# Altium PCB PCB_ECGAcquisitionSystem.PcbDoc (part 1 of 2)
Units mm, origin at the board's own origin, x right, y up, seen from the top; angles counter-clockwise.
Board outline 85.22 x 55 mm, 2 copper layers (Top Layer, Bottom Layer); 165 components, 99 nets, 434 pads, 579 vias.
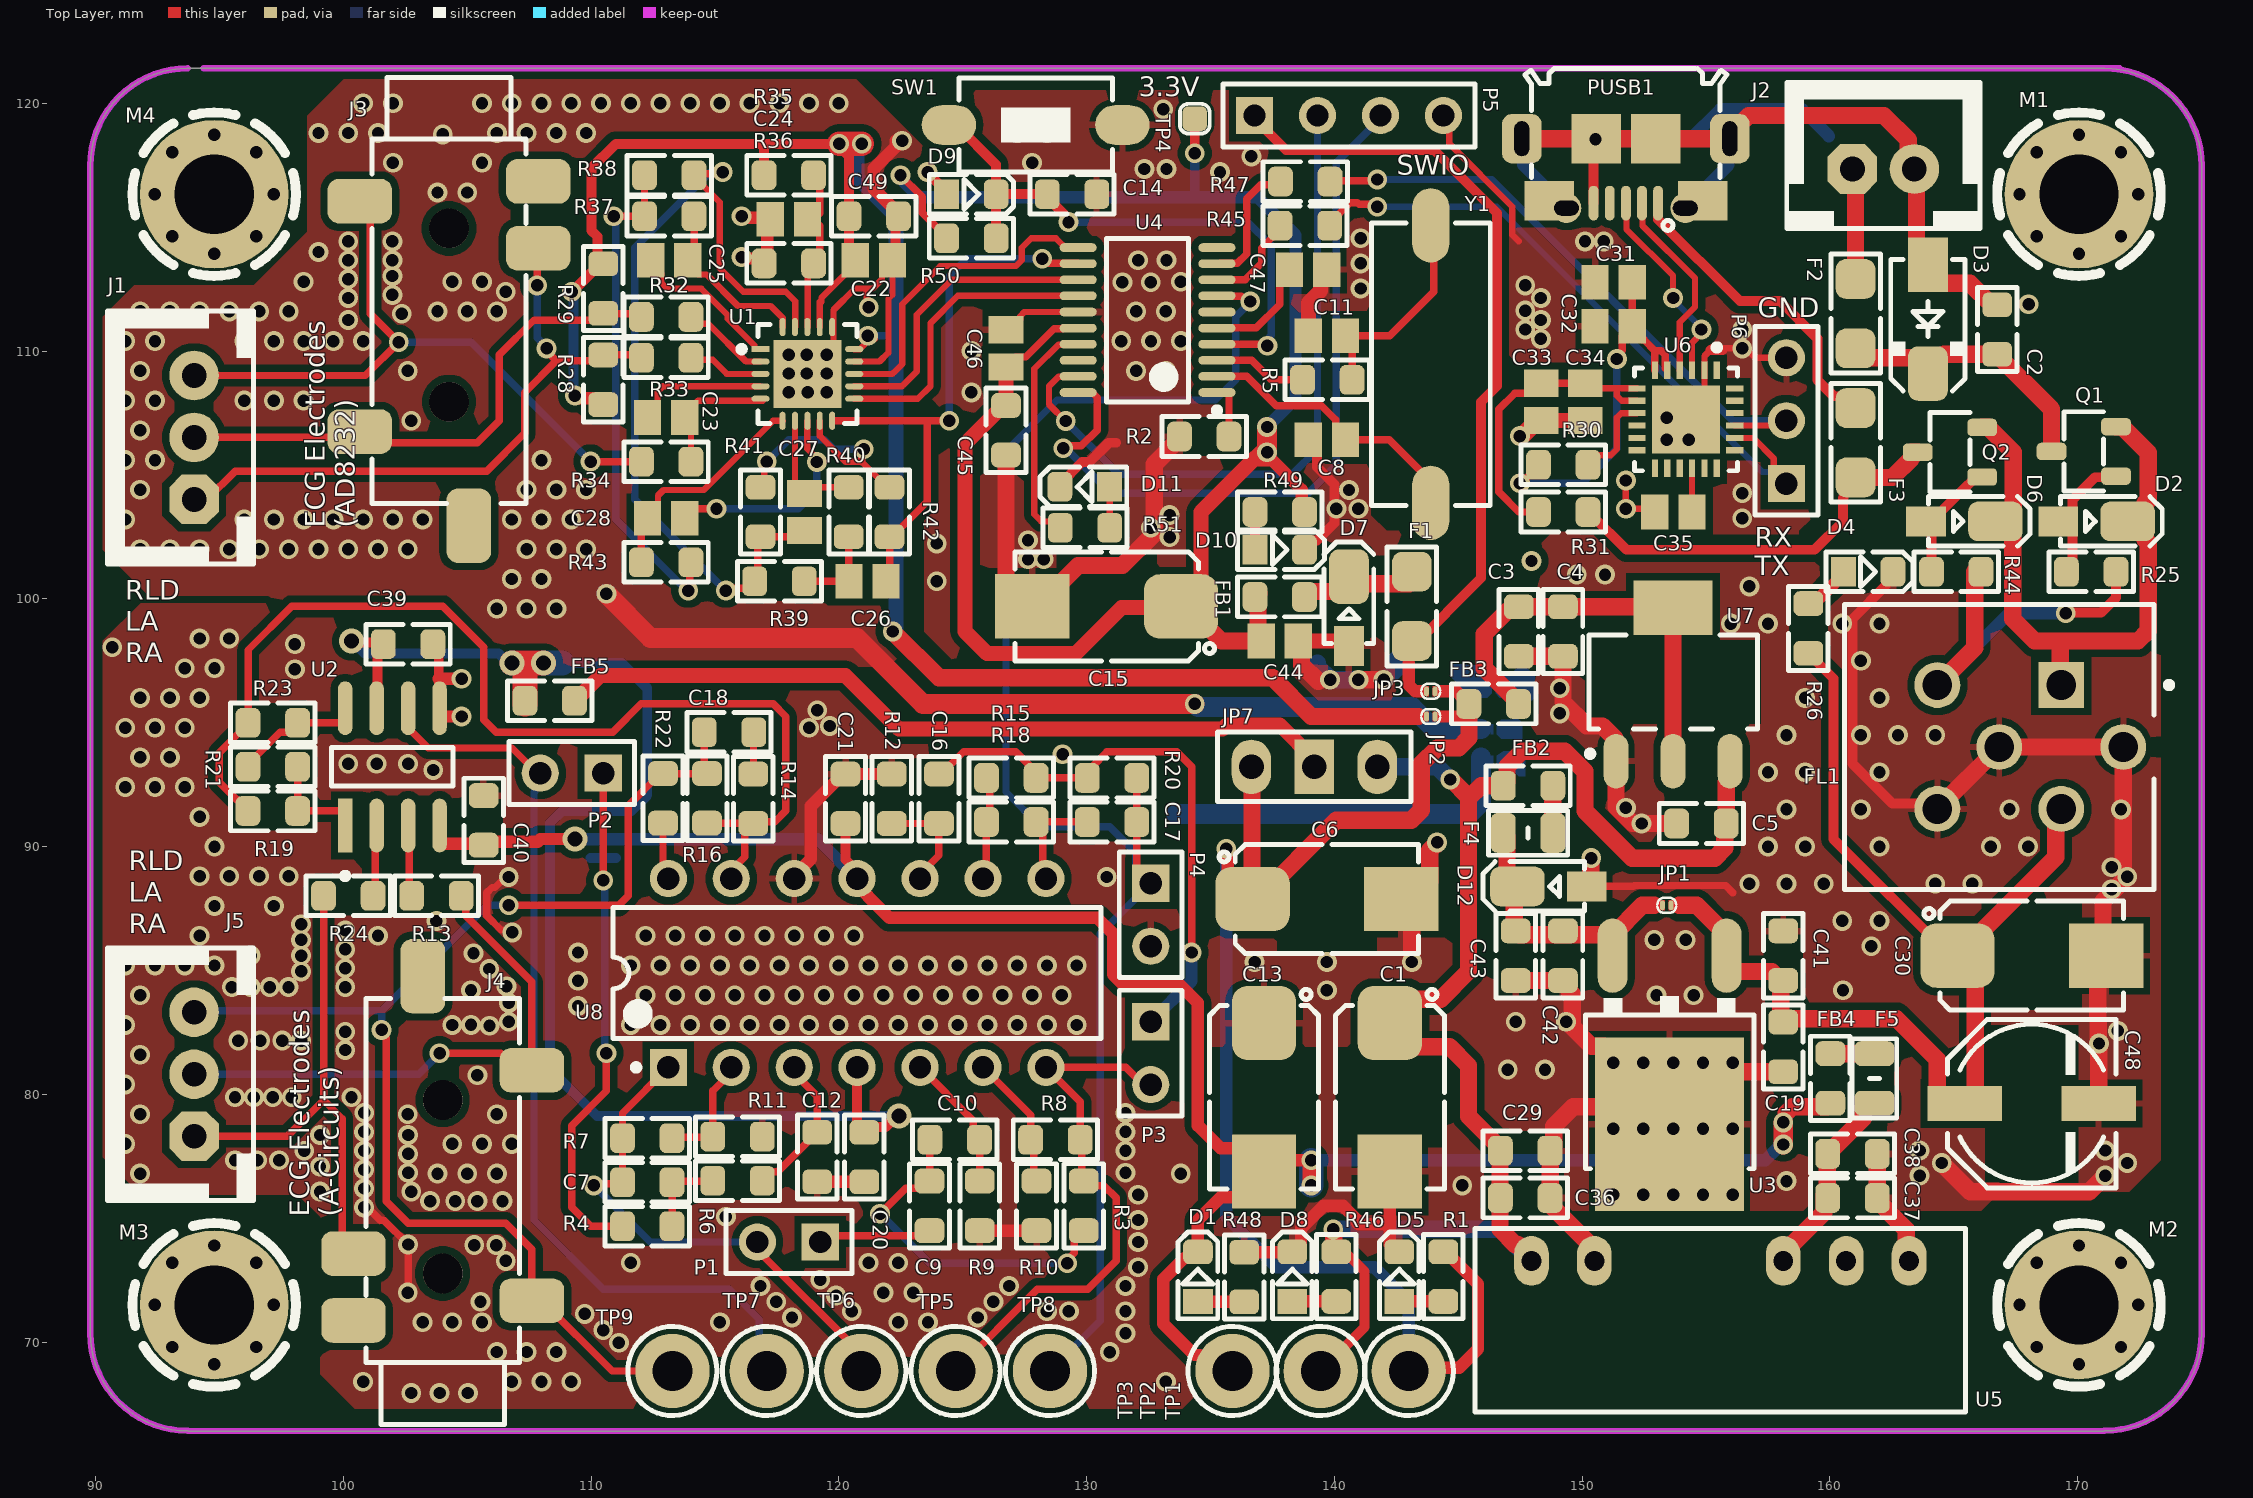
[diagram p0: Top Layer view]
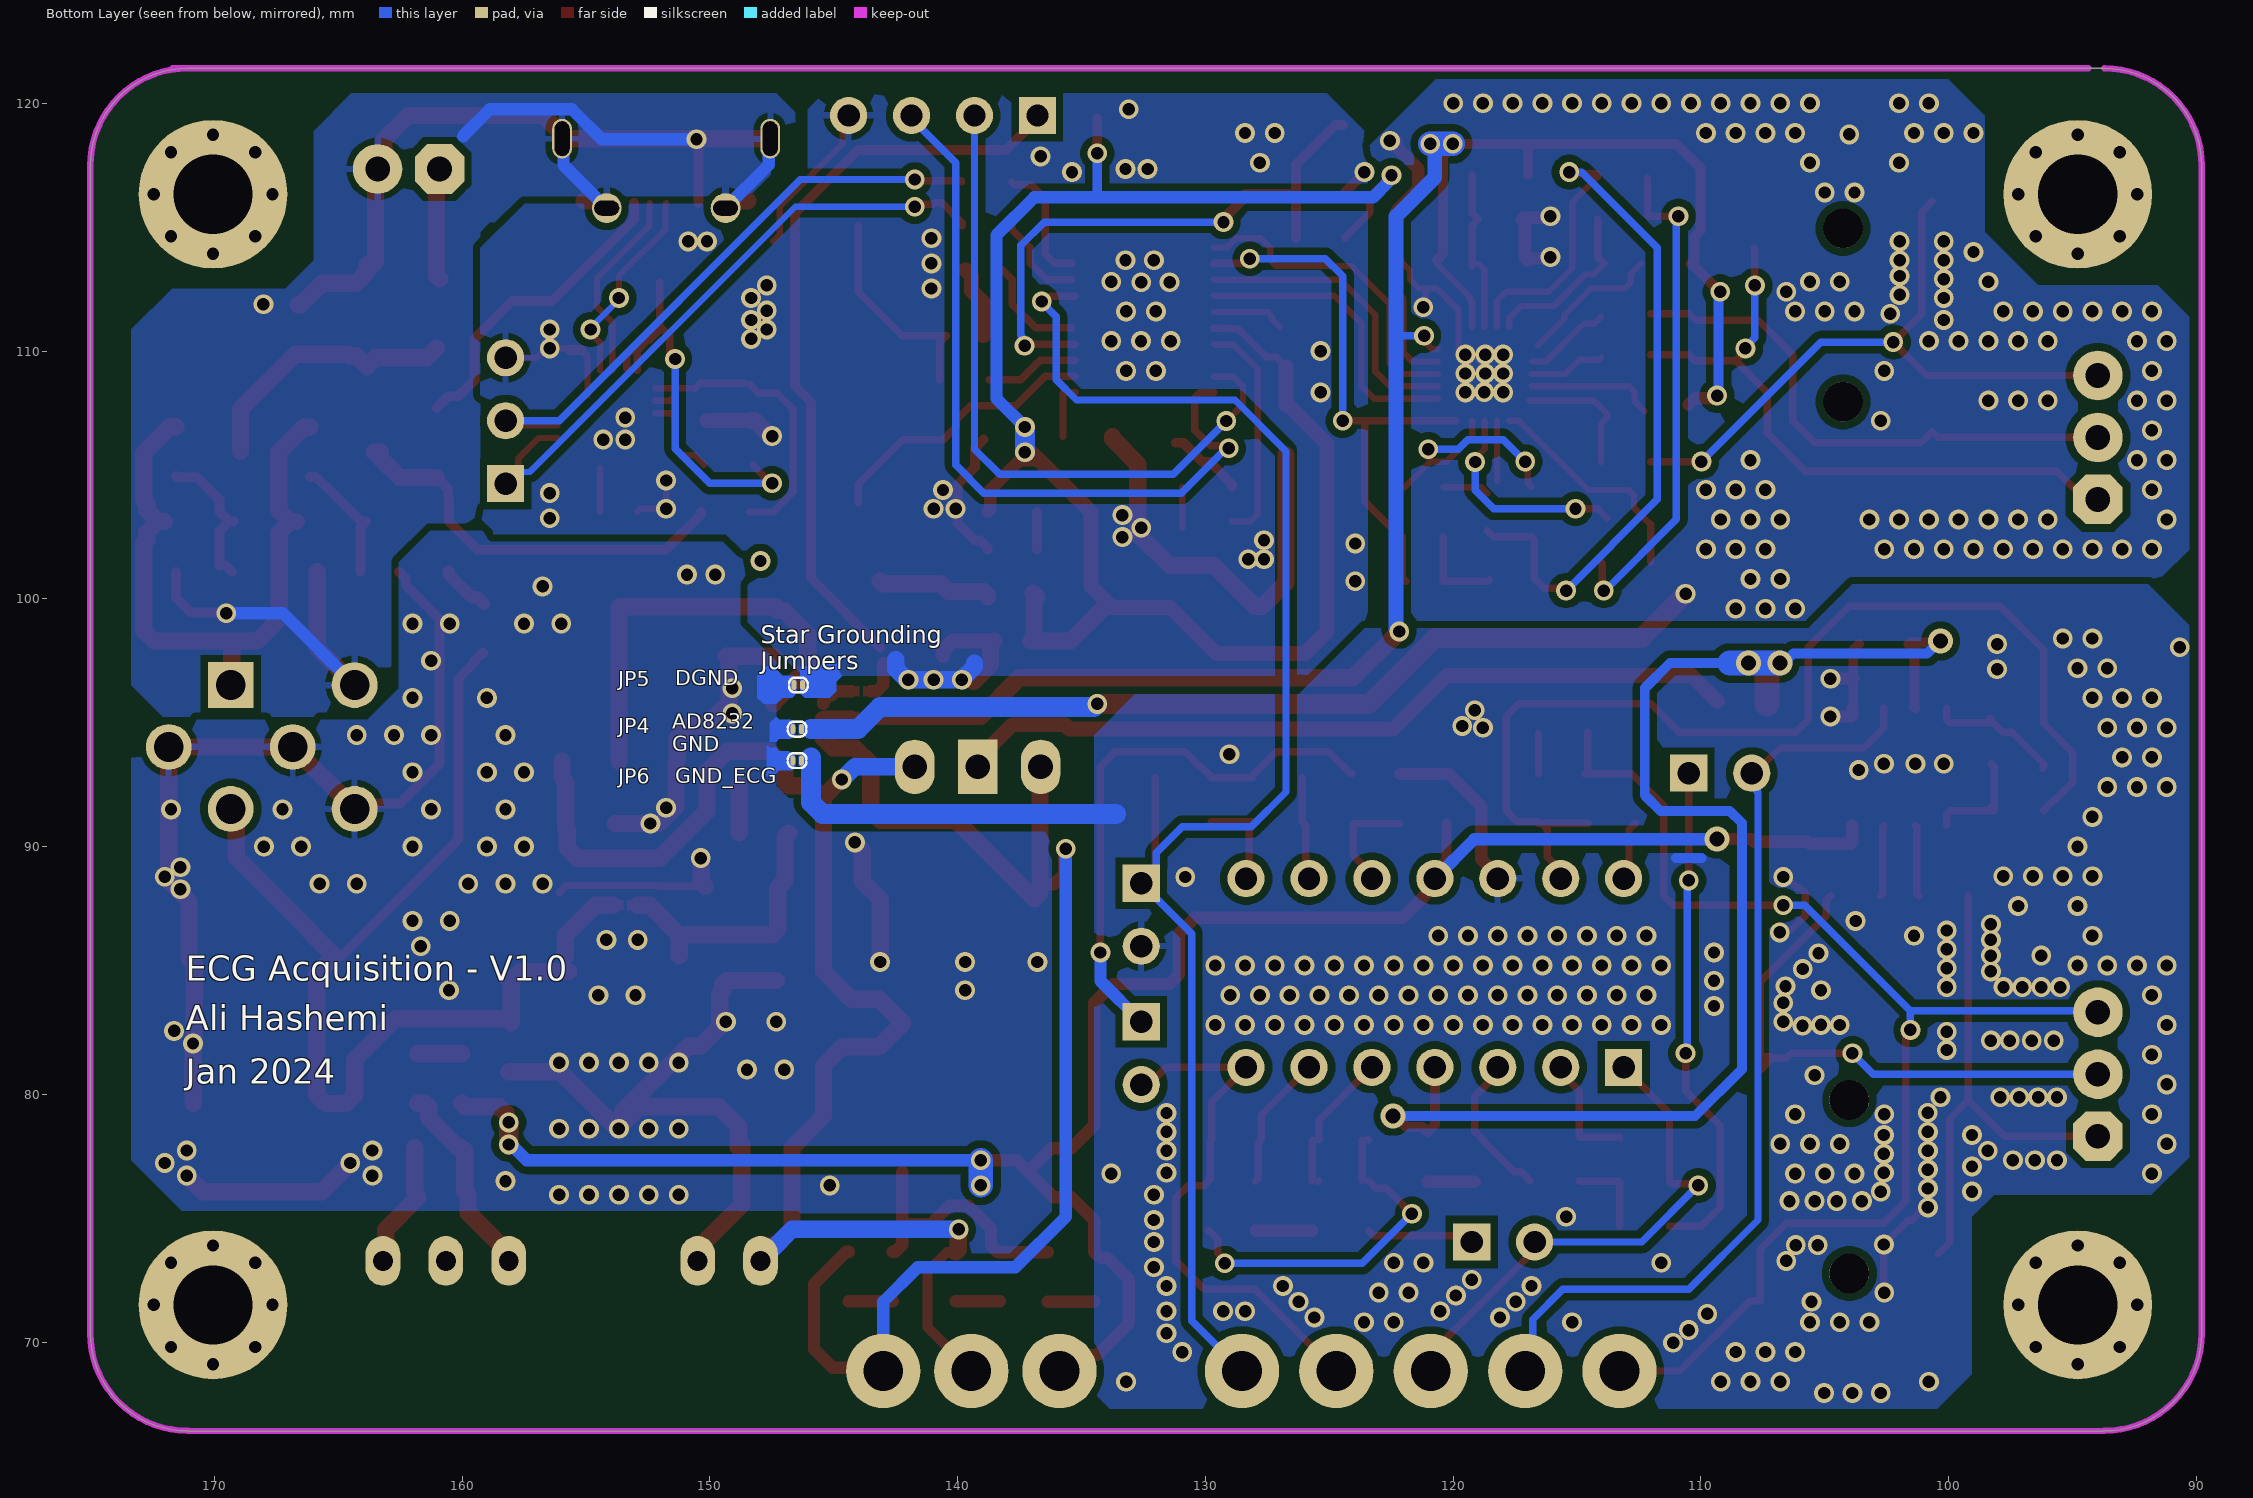
[diagram p1: Bottom Layer view, seen from below]
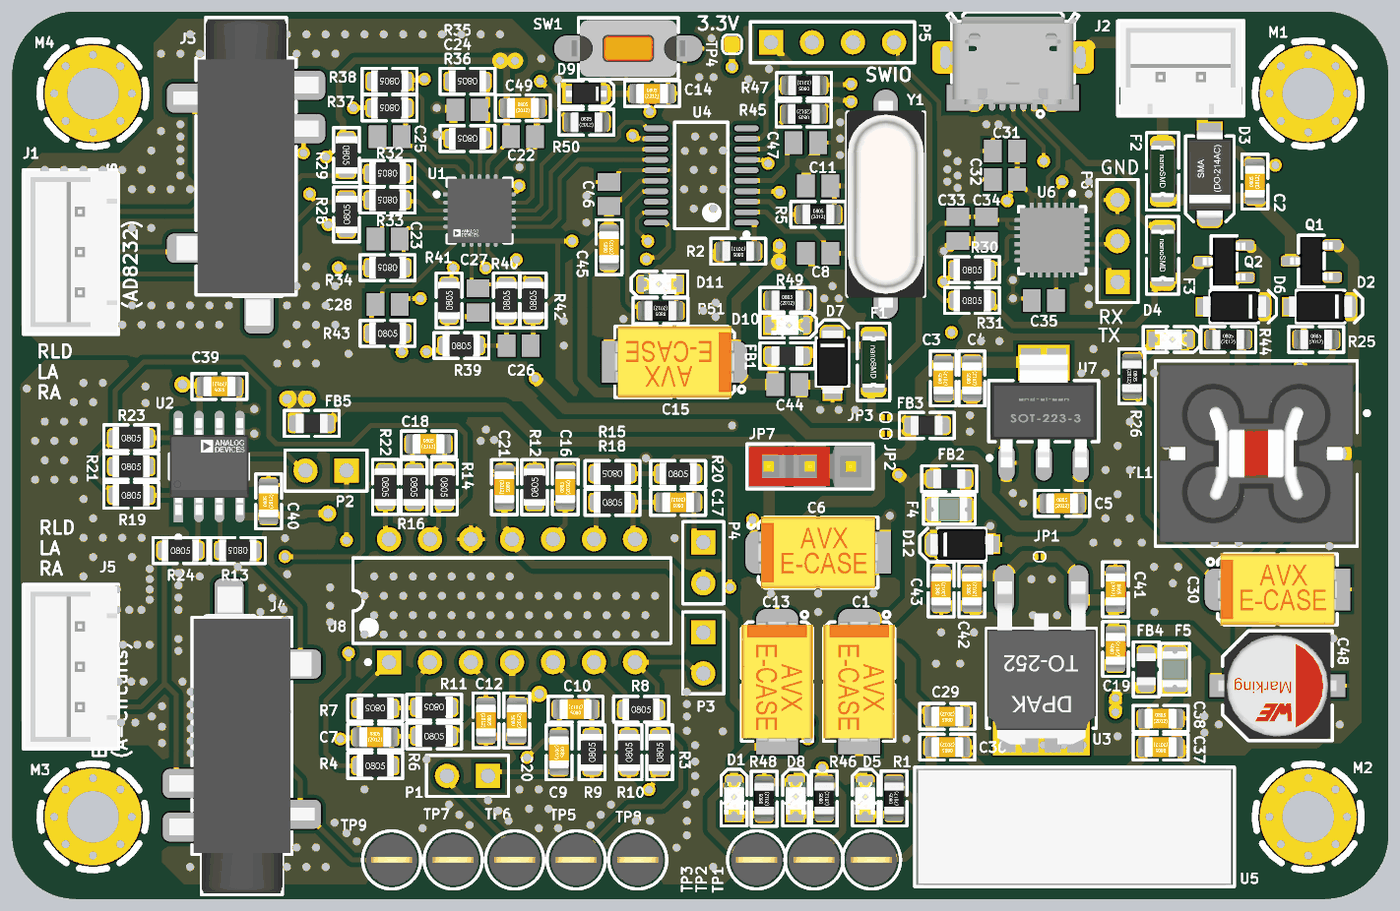
[diagram p3: 3D render of the assembled board from above, using the file's embedded part models]

## Layer stack, top to bottom
Top Solder: solder mask 0.0102, Solder Resist, Dk 3.5
Top Layer: signal copper 0.0356
Dielectric 1: dielectric 0.32, FR-4, Dk 4.8
Bottom Layer: signal copper 0.0356
Bottom Solder: solder mask 0.0102, Solder Resist, Dk 3.5

## Board outline
89.789,70.358 89.789,117.475 89.787,117.475 cw(c93.726,117.475) 93.726,121.414 93.726,121.412 171.069,121.412 171.069,121.414 cw(c171.069,117.475) 175.008,117.475 175.006,117.602 175.006,70.358 175.008,70.358 cw(c171.069,70.358) 171.069,66.419 171.06,66.412 93.735,66.412 93.726,66.419 cw(c93.726,70.358)

## Design rules (kind name [scope] priority, off if disabled: settings)
Clearance [All] p1: gap=0.3 ignorepadtopadclearanceinfootprint=FALSE except(0: Arc-Hole Track-Hole SMDPad-Hole THPad-Hole Via-Hole Fill-Hole Poly-Hole Region-Hole Text-Hole)
PolygonConnect [All] p1: thpad.connectstyle=Relief thpad.reliefconductorwidth=0.254 thpad.reliefentries=4 thpad.polygonreliefangle="90 Angle" thpad.airgapwidth=0.254 smdpad.connectstyle=Relief smdpad.reliefconductorwidth=0.254 smdpad.reliefentries=4 smdpad.polygonreliefangle="90 Angle" smdpad.airgapwidth=0.254 via.connectstyle=Direct via.reliefconductorwidth=0.254 via.reliefentries=4 via.polygonreliefangle="90 Angle" via.airgapwidth=0.254
RoomDefinition ECG_CIRCUIT [InComponentClass('ECG_CIRCUIT')] p1: confinementstyle=ConfineIn formatcopy=TRUE lockcomponents=FALSE outline 90.126,75.358 90.126,86.266 95.133,86.266 95.133,96.15 98.983,96.15 98.983,97.275 100.629,97.275 100.629,99.325 104.763,99.325 104.763,97.275 105.13,97.275 105.13,95.769 117.416,95.769 117.416,93.986 125.419,93.986 125.419,93.926 133.098,93.926 133.098,90.143 134.493,90.143 134.493,78.767 131.298,78.767 131.298,73.446 130.936,73.446 130.936,66.68 109.391,66.68 109.391,66.317 98.812,66.317 98.812,75.358
RoomDefinition Power [InComponentClass('Power')] p2: confinementstyle=ConfineIn formatcopy=TRUE lockcomponents=FALSE outline 133.339,70.59 133.339,74.798 134.606,74.798 134.606,84.739 134.844,84.739 134.844,90.438 134.938,90.438 134.938,94.972 143.212,94.972 143.212,96.87 145.752,96.87 145.752,97.124 146.293,97.124 146.293,100.733 149.816,100.733 149.816,101.103 159.49,101.103 159.49,102.246 159.557,102.246 159.557,114.263 162.103,114.263 162.103,114.949 165.811,114.949 165.811,112.925 167.905,112.925 167.905,107.904 172.501,107.904 172.501,104.478 173.769,104.478 173.769,100.224 174.192,100.224 174.192,87.816 173.004,87.816 173.004,83.044 172.704,83.044 172.704,75.875 165.829,75.875 165.829,66.825 145.156,66.825 145.156,66.68 133.736,66.68 133.736,70.59
RoomDefinition USB_COMPONENTS [InComponentClass('USB_COMPONENTS')] p3: confinementstyle=ConfineIn formatcopy=TRUE lockcomponents=FALSE outline 146.431,121.547 146.431,101.727 157.48,101.727 157.48,121.547
RoomDefinition MCU_COMPONENTS [InComponentClass('MCU_COMPONENTS')] p4: confinementstyle=ConfineIn formatcopy=TRUE lockcomponents=FALSE outline 123.144,96.52 146.685,96.52 146.685,121.273 123.144,121.273
RoomDefinition AD8232_COMPONENTS [InComponentClass('AD8232_COMPONENTS')] p5: confinementstyle=ConfineIn formatcopy=TRUE lockcomponents=FALSE outline 125.476,96.488 125.476,121.539 90.17,121.539 90.17,96.488
RoutingVias [All] p1: holewidth=0.8 width=0.8 viastyle="Through Hole" minholewidth=0.4 minwidth=0.5 maxholewidth=1 maxwidth=1.27
SolderMaskExpansion [All] p1: expansion=0.102 istentingtop=FALSE
Width [All] p1: maxlimit=5 minlimit=0.254 preferedwidth=0.3
30 further rules are at their usual default settings.

## Classes and differential pairs
component class Power: C1 C2 C3 C4 C5 C6 C13 C19 C29 C30 C36 C37 C38 C41 C42 C43 C48 D1 D2 D3 D4 D5 D6 D8 D12 F2 F3 FL1 JP1 JP2 JP3 JP4 JP5 JP6 JP7 Q1 Q2 R1 R25 R26 R44 R46 R48 TP1 TP2 TP3 U3 U5 U7
component class USB_COMPONENTS: C31 C32 C33 C34 C35 PUSB1 R30 R31 U6
component class MCU_COMPONENTS: C8 C11 C14 C15 C44 C45 C46 C47 D7 D9 D10 D11 F1 FB1 FB2 FB3 FB4 FB5 P7 R2 R5 R45 R47 R49 R50 R51 SW1 U4 Y1
component class ECG_CIRCUIT: C7 C9 C10 C12 C16 C17 C18 C20 C21 C39 C40 J4 J5 P1 P2 P3 P4 R3 R4 R6 R7 R8 R9 R10 R11 R12 R13 R14 R15 R16 R18 R19 R20 R21 R22 R23 R24 TP5 TP6 TP7 TP8 TP9 U2 U8
component class AD8232_COMPONENTS: C22 C23 C24 C25 C26 C27 C28 C49 J1 J3 R28 R29 R32 R33 R34 R35 R36 R37 R38 R39 R40 R41 R42 R43 U1

## Components (designator, comment, footprint, x,y, rotation, side; value= is the part's Value field where it differs from the comment)
C1 "220uF" C_TN_7343 142.24,79.883 r270 top
C2 "X7R Cap" C0805S 166.751,110.871 r90 top
C3 "10uF_X7R" C0805S 147.447,98.679 r90 top
C4 "100nF_X7R" C0805S 149.225,98.679 r90 top
C5 "10uF" C0805S 154.813,90.932 r0 top
C6 "220uF" C_TN_7343 139.7,87.884 r0 top
C7 "10nF" C0805S 112.268,76.454 r0 top
C8 "27pF" C0805 139.7,106.426 r180 top
C9 "10uF" C0805S 123.66,75.5 r270 top
C10 "10uF" C0805S 124.676,78.167 r180 top
C11 "27pF" C0805 139.7,110.617 r180 top
C12 "100nF" C0805S 119.126,77.47 r270 top
C13 "220uF" C_TN_7343 137.16,79.883 r270 top
C14 "100nF" C0805S 129.413,116.332 r0 top
C15 "220uF" C_TN_7343 130.81,99.695 r180 top
C16 "47nF" C0805S 124.041,91.932 r90 top
C17 "47nF" C0805S 131.026,90.994 r180 top
C18 "100nF" C0805S 115.57,94.615 r0 top
C19 "10uF_X7R" C0805S 158.115,81.915 r90 top
C20 "100nF" C0805S 121.031,77.47 r90 top
C21 "100nF" C0805S 120.269,91.932 r270 top
C22 "100nF" C0805 121.412,113.665 r180 top
C23 "1nF" C0805 113.03,107.315 r180 top
C24 "100nF" C0805 117.983,115.316 r180 top
C25 "0.33uF" C0805 113.157,113.665 r0 top
C26 "1.5nF" C0805 121.158,100.711 r0 top
C27 "10nF" C0805 118.618,103.505 r270 top
C28 "0.33uF" C0805 113.03,103.251 r0 top
C29 "10uF_X7R" C0805S 147.701,77.724 r180 top
C30 "220uF" C_TN_7343 168.148,85.598 r0 top
C31 "4.7uF" C0805 151.27,112.776 r0 top
C32 "100nF" C0805 151.27,110.998 r0 top
C33 "10uF" C0805 148.349,107.95 r90 top
C34 "100nF" C0805 150.127,107.95 r90 top
C35 "4.7uF" C0805 153.683,103.505 r0 top
C36 "100nF" C0805S 147.701,75.819 r180 top
C37 "100nF" C0805S 160.909,75.819 r180 top
C38 "10uF_X7R" C0805S 160.909,77.597 r0 top
C39 "100nF" C0805S 102.616,98.171 r180 top
C40 "100nF" C0805S 105.664,91.059 r90 top
C41 "100nF_X7R" C0805S 158.115,85.598 r270 top
C42 "10uF_X7R" C0805S 149.225,85.598 r90 top
C43 "100nF_X7R" C0805S 147.32,85.598 r90 top
C44 "100nF" C0805 137.795,98.298 r0 top
C45 "10uF_X7R" C0805S 126.746,106.807 r90 top
C46 "100nF" C0805 126.746,110.109 r90 top
C47 "100nF" C0805 138.938,113.284 r0 top
C48 "Electrolytic" C_EL_6_8 168.148,79.629 r0 top value=470uF
C49 "10uF_X7R" C0805S 121.412,115.443 r0 top
D1 "LED805GRN" LED0805GRN 134.493,72.644 r90 top
D2 "> 5V" D_SOD123W 170.815,103.124 r0 top
D3 "SMAJ33CA" D_SMA 163.957,111.293 r270 top
D4 "LED805RED" LED0805RED 161.544,101.092 r0 top
D5 "LED805GRN" LED0805GRN 142.621,72.644 r90 top
D6 "> 5V" D_SOD123W 165.481,103.124 r0 top
D7 "3.6V" D_SOD123W 140.589,99.695 r90 top
D8 "LED805GRN" LED0805GRN 138.303,72.644 r90 top
D9 "SP4020" D_SOD323 125.349,116.332 r0 top
D10 "LED805GRN" LED0805GRN 137.795,101.981 r0 top
D11 "" LED0805BLU 129.921,104.521 r180 top
D12 "5.1V" D_SOD123W 148.59,88.392 r180 top
F1 "FUSE0.5A" F1206 143.129,99.695 r270 top
F2 "FUSE1A" F1206 161.036,111.509 r270 top
F3 "FUSE1A" F1206 161.036,106.299 r270 top
F4 "FUSE500mA" F0805 147.82,90.551 r0 top
F5 "FUSE500mA" F0805 161.798,80.645 r90 top
FB1 "FB805" L0805 137.795,100.076 r180 top
FB2 "FB805" L0805 147.82,92.456 r180 top
FB3 "FB805" L0805 146.431,95.758 r180 top
FB4 "FB805" L0805 160.02,80.645 r270 top
FB5 "FB805" L0805 108.331,95.885 r0 top
FL1 "BNX005-01" FP-BNX_L12MM5_W11MM5_T13M-MFG 166.838,94.02 r0 top
J1 "HHDR_3" XH_3 93.98,106.513 r90 top
J2 "InPower" XH_2 162.159,117.348 r0 top value=HHDR_2
J3 "AudioJack" JCKAS_STX3500 104.267,107.95 r0 top
J4 "AudioJack" JCKAS_STX3500 104.013,79.771 r180 top
J5 "HHDR_3" XH_3 93.98,80.812 r90 top
JP1 "Bypass Jumper" JP_40X50 153.416,87.63 r180 top
JP2 "" JP_40X50 143.891,95.25 r180 top
JP3 "" JP_40X50 143.891,96.266 r180 top
JP4 "" JP_40X50 146.479,94.742 r180 bottom
JP5 "" JP_40X50 146.431,96.52 r0 bottom
JP6 "" JP_40X50 146.479,93.472 r180 bottom
JP7 "JMPHDR3PIN" JP_3 139.192,93.218 r0 top
M1 "DNP/MH" SCMH_M3 170.053,116.332 r0 top
M2 "DNP/MH" SCMH_M3 170.053,71.501 r0 top
M3 "DNP/MH" SCMH_M3 94.789,71.501 r0 top
M4 "DNP/MH" SCMH_M3 94.789,116.332 r0 top
P1 "Header 2" HDR1X2 119.253,74.041 r180 top
P2 "Header 2" HDR1X2 110.49,92.964 r180 top
P3 "Header 2" HDR1X2 132.588,82.931 r270 top
P4 "Header 2" HDR1X2 132.588,88.519 r270 top
P5 "Header 4" HDR1X4 136.779,119.507 r0 top
P6 "Header 3" HDR1X3 158.242,104.648 r90 top
PUSB1 "CONN_USB_MICROB" USB_MICRO_B_BM_SHS 151.765,115.971 r0 top
Q1 "AO3401" SOT23_3 170.247,105.95 r180 top
Q2 "AO3401" SOT23_3 164.846,105.918 r180 top
R1 "470" R0805S 144.399,72.644 r90 top
R2 "4.7K" R0805S 134.747,106.553 r180 top
R3 "910K" R0805 129.883,75.5 r90 top
R4 "11K" R0805 112.268,74.676 r0 top
R5 "150" R0805S 139.716,108.839 r0 top
R6 "11K" R0805 115.913,76.516 r0 top
R7 "120K" R0805 112.268,78.232 r180 top
R8 "82K" R0805 128.74,78.167 r0 top
R9 "93.7K" R0805 125.692,75.5 r90 top
R10 "10K" R0805 127.978,75.5 r90 top
R11 "15K" R0805 115.913,78.294 r180 top
R12 "18K" R0805 122.136,91.932 r90 top
R13 "220K" R0805 103.759,88.011 r180 top
R14 "10K" R0805 116.548,91.932 r270 top
R15 "10K" R0805 126.962,92.772 r180 top
R16 "1M" R0805 114.681,91.948 r270 top
R18 "10K" R0805 126.962,90.994 r0 top
R19 "22K" R0805 97.155,91.44 r0 top
R20 "68K" R0805 131.026,92.772 r0 top
R21 "5.6K" R0805 97.155,93.218 r0 top
R22 "50K" R0805 112.903,91.948 r270 top
R23 "22K" R0805 97.155,94.996 r0 top
R24 "220K" R0805 100.203,88.011 r0 top
R25 "100" R0805S 170.545,101.092 r0 top
R26 "1K" R0805S 159.131,98.806 r270 top
R28 "10M" R0805 110.49,108.839 r90 top
R29 "10M" R0805 110.49,112.522 r270 top
R30 "4.7K" R0805 149.238,105.41 r0 top
R31 "10" R0805 149.238,103.505 r0 top
R32 "180K" R0805 113.03,111.379 r180 top
R33 "180K" R0805 113.03,109.728 r180 top
R34 "360K" R0805 113.03,105.537 r180 top
R35 "10M" R0805 117.983,117.094 r180 top
R36 "10M" R0805 117.983,113.538 r180 top
R37 "10M" R0805 113.157,115.443 r180 top
R38 "10M" R0805 113.157,117.094 r180 top
R39 "1M" R0805 117.602,100.711 r0 top
R40 "1M" R0805 120.396,103.505 r90 top
R41 "100K" R0805 116.84,103.505 r90 top
R42 "1M" R0805 122.047,103.505 r90 top
R43 "1.4M" R0805 113.03,101.473 r0 top
R44 "100" R0805S 165.1,101.092 r0 top
R45 "100" R0805S 138.811,115.062 r180 top
R46 "470" R0805S 140.081,72.644 r90 top
R47 "100" R0805S 138.827,116.84 r180 top
R48 "470" R0805S 136.36,72.625 r90 top
R49 "470" R0805S 137.795,103.505 r0 top
R50 "10K" R0805S 125.349,114.554 r0 top
R51 "470" R0805S 129.937,102.87 r180 top